# Allegro board F407_PACK_V10A.brd
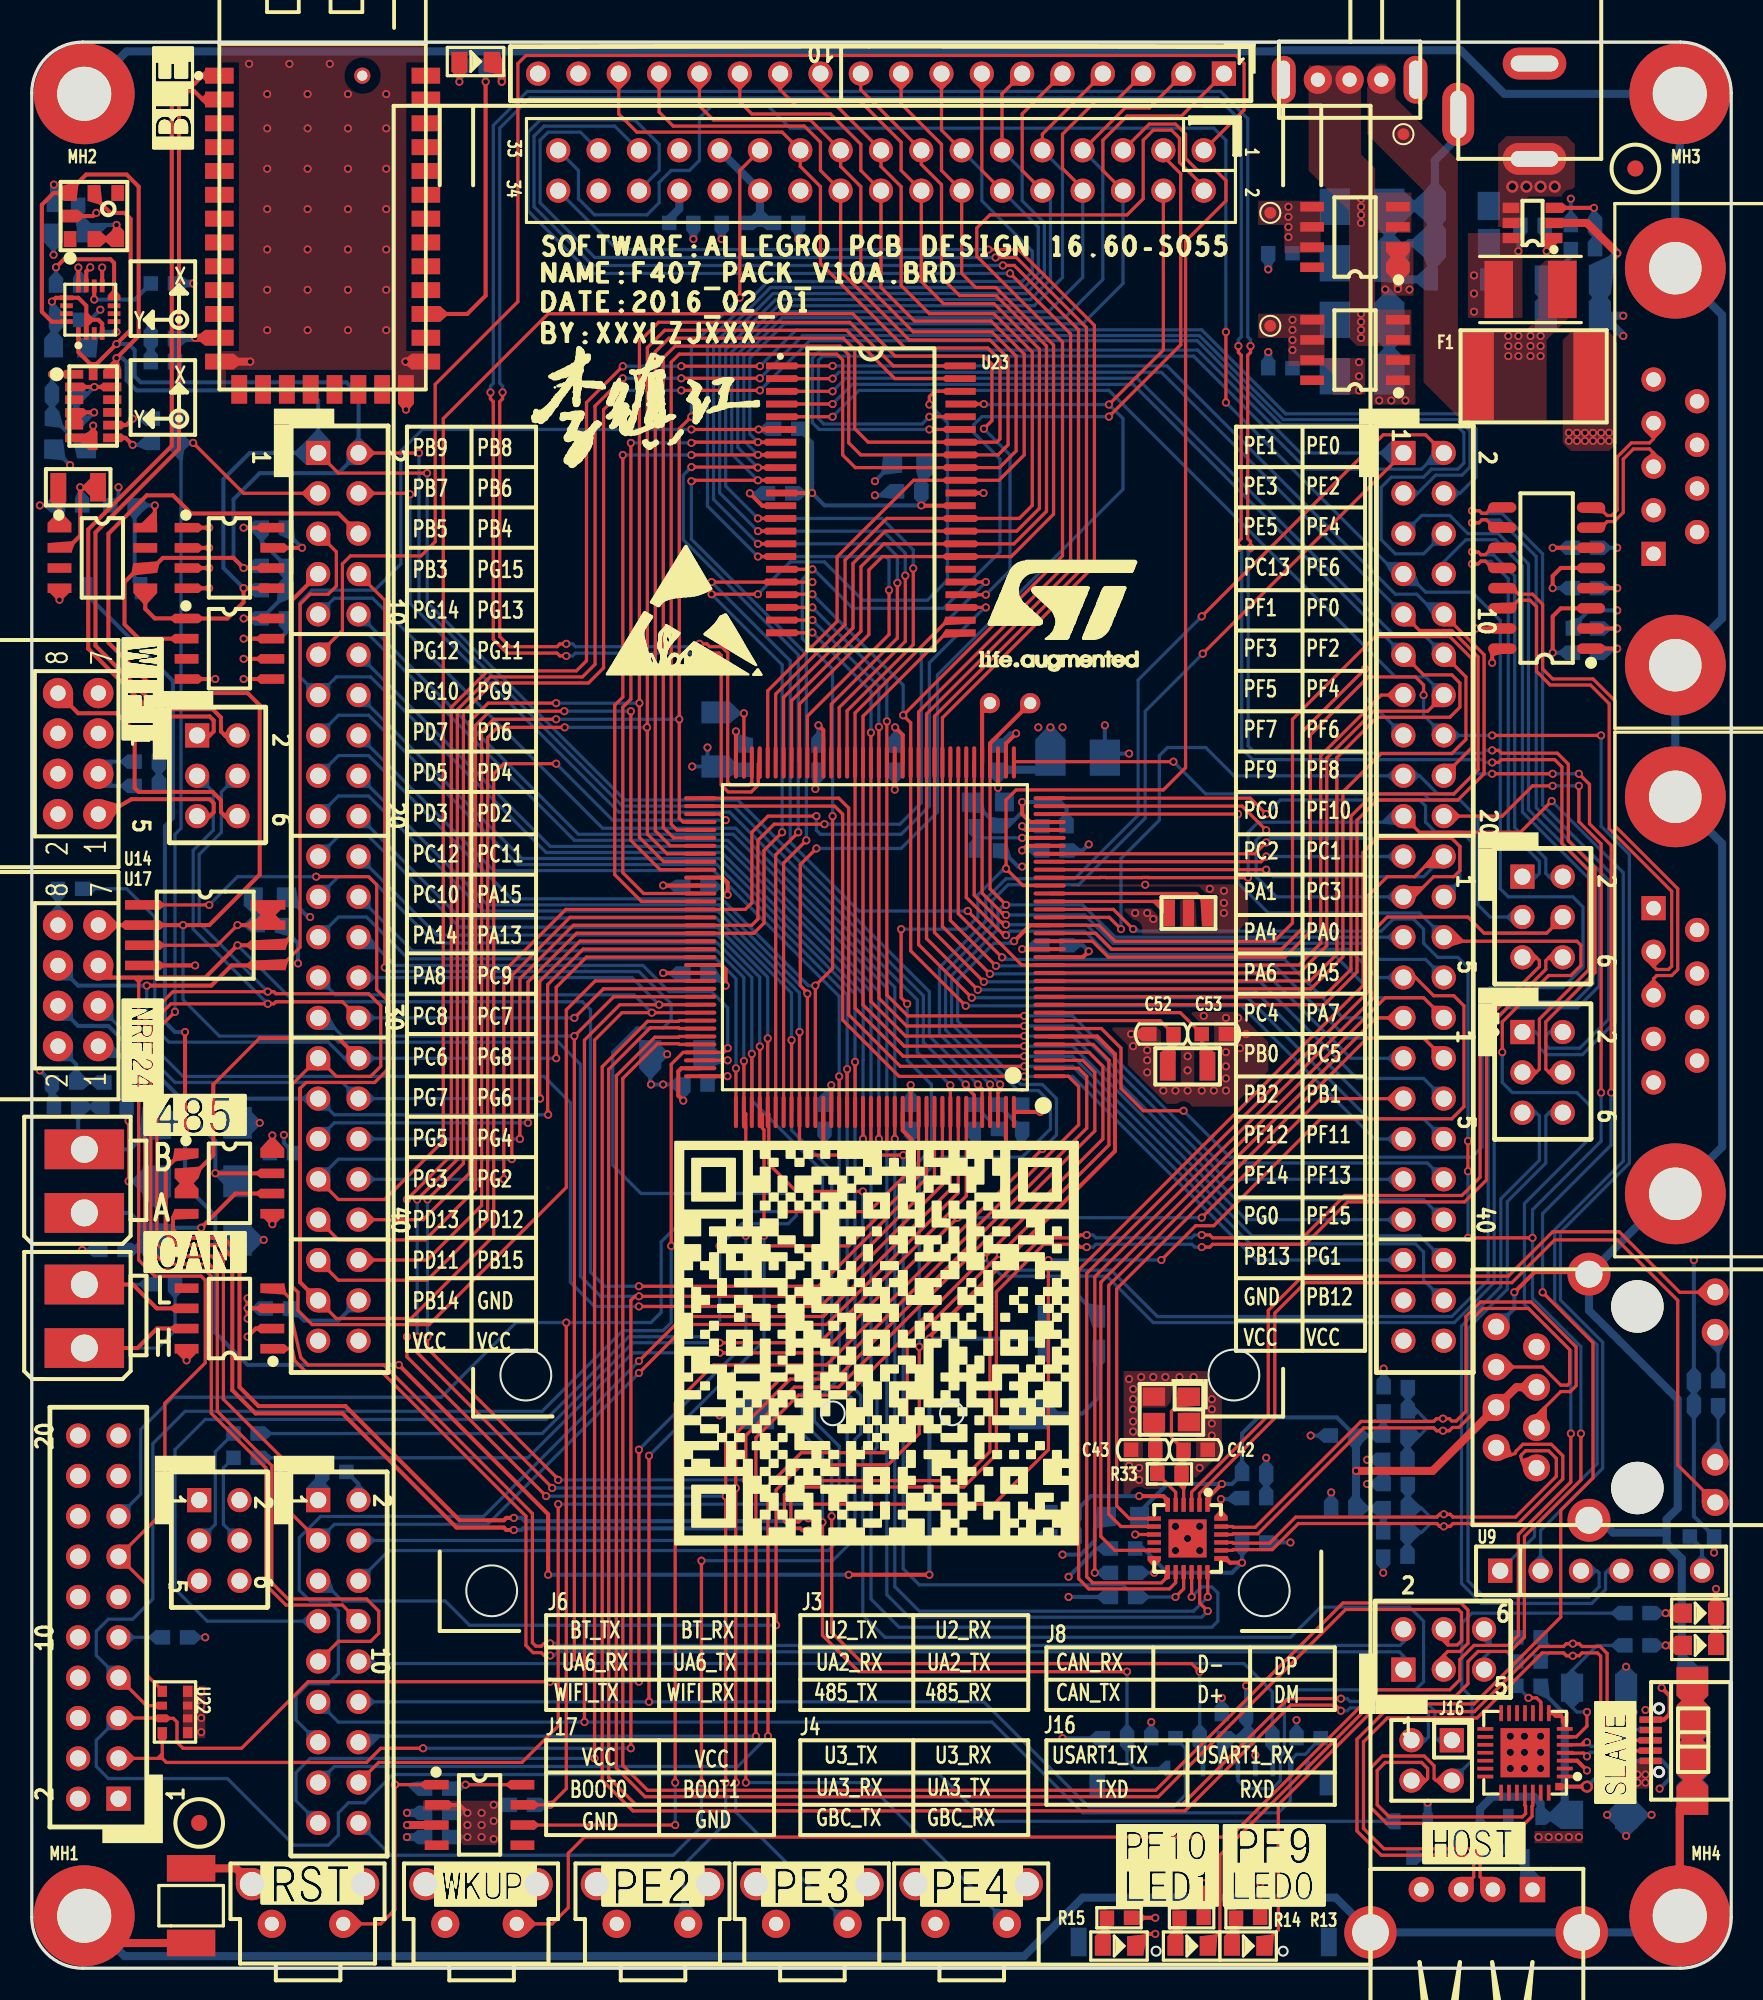
[diagram p0: board, top side]
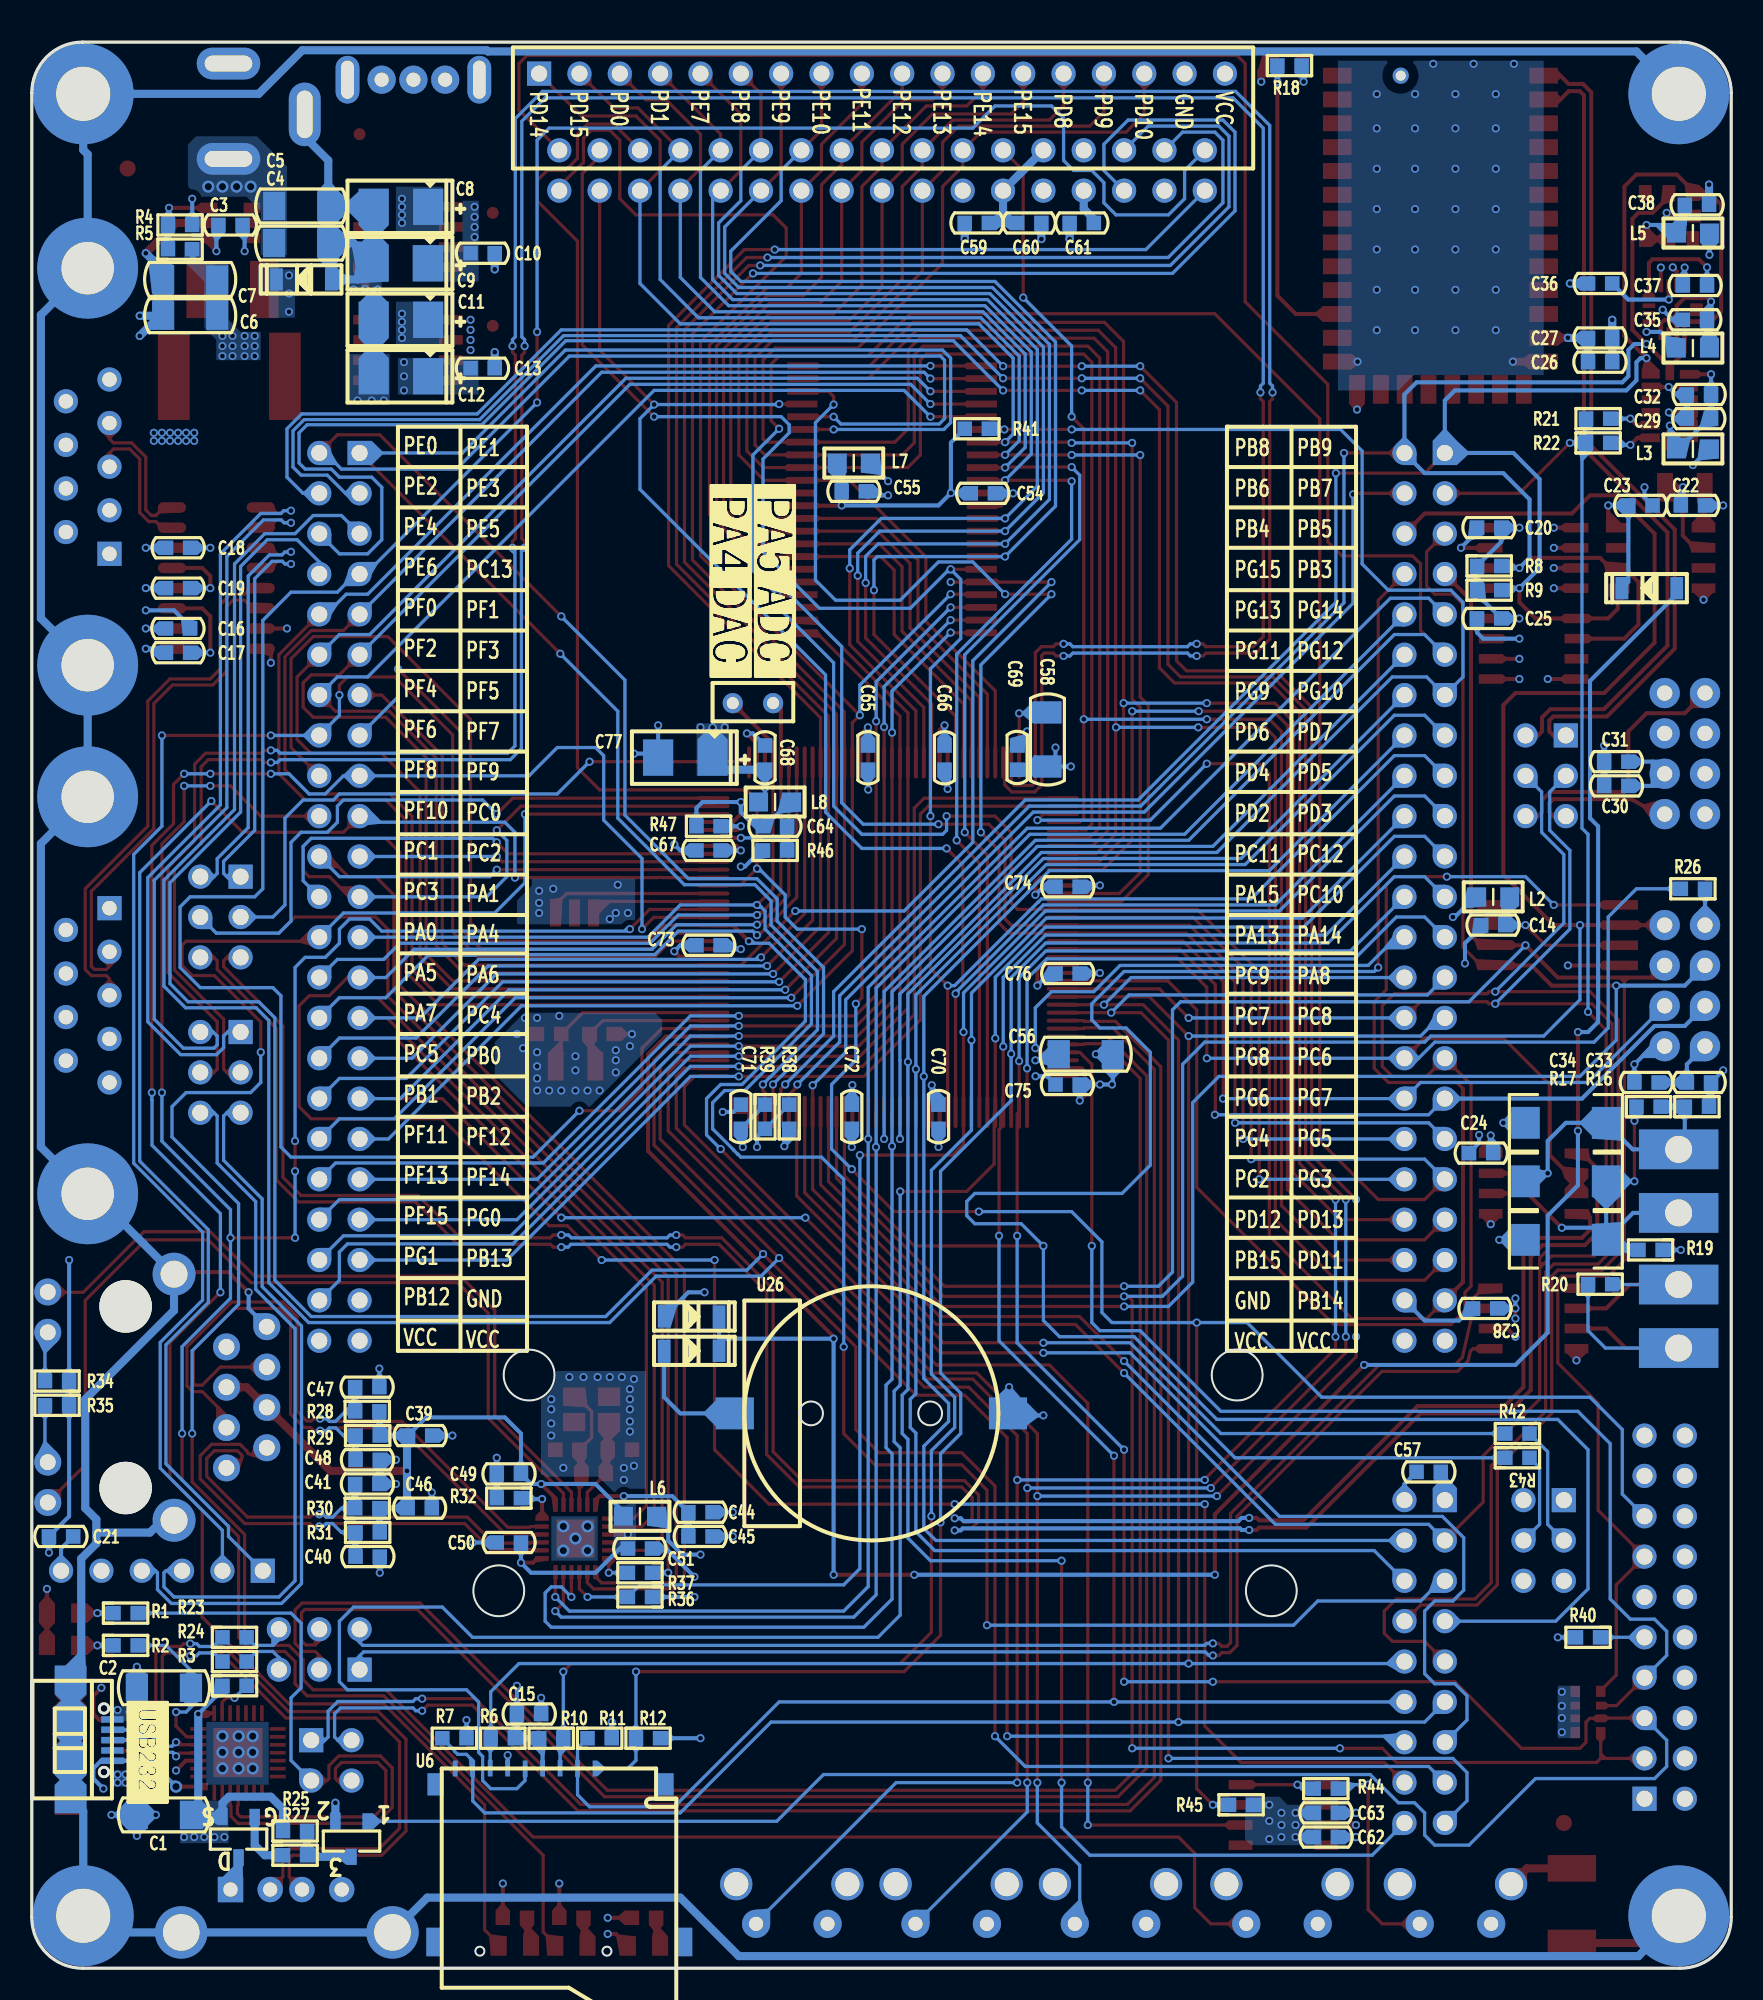
[diagram p1: board, bottom side, seen from below]

Outline 107 x 121.24 mm; copper layers: TOP, L02_GND, L03_VCC, BOTTOM. Coordinates in mm from the lower left corner of the outline.
Outline path: 0,118.04 0,3.2 arc(0.94,0.94) 3.2,0 103.8,0 arc(106.06,0.94) 107,3.2 107,118.04 arc(106.06,120.3) 103.8,121.24 3.2,121.24 arc(0.94,120.3) 0,118.04

## Design rules (mm)
net group DP1: nets BT_RXD BT_TXD
net group DP2: nets CAN_RX CAN_TX
net group DP3: nets GBC_RX GBC_TX
net group DP4: nets RS485_RX RS485_TX
net group DP5: nets RXD TXD
net group DP6: nets TPRX+ TPRX-
net group DP7: nets TPTX+ TPTX-
net group DP8: nets U2_RX U2_TX
net group DP9: nets U3_RX U3_TX
net group DP10: nets USART1_RX USART1_TX
net group DP11: nets USART3_RX USART3_TX
net group DP12: nets USB_D+ USB_D-
net group DP13: nets USB_DM USB_DP
net group DP14: nets WIFI_RXD WIFI_TXD

## Placement (name value [footprint] x y rotation side)
BEAD1  FBMH4532HM132-T  [L1812]  10.03 3.94 90 top
C1  22uF_10V_1206_10%_X7R  [CC1206]  98.68 9.65 0 bottom
C2  22uF_10V_1206_10%_X7R  [CC1206]  98.68 17.65 0 bottom
C3  10nF  [CC0603]  94.49 109.73 0 bottom
C4  22uF_10V_1206_10%_X7R  [CC1206]  90.04 108.58 180 bottom
C5  22uF_10V_1206_10%_X7R  [CC1206]  90.03 110.92 180 bottom
C6  22uF_10V_1206_10%_X7R  [CC1206]  97.03 104.01 0 bottom
C7  22uF_10V_1206_10%_X7R  [CC1206]  97.03 106.3 0 bottom
C8  10uF_10V_3528_10%  [CC3528_12]  82.04 110.87 0 bottom
C9  10uF_10V_3528_10%  [CC3528_12]  82.04 107.31 0 bottom
C10  0.1uF_50V_0603_10%_X7R  [CC0603]  78.61 107.95 0 bottom
C11  10uF_10V_3528_10%  [CC3528_12]  82.04 103.76 0 bottom
C12  10uF_10V_3528_10%  [CC3528_12]  82.04 100.2 0 bottom
C13  0.1uF_50V_0603_10%_X7R  [CC0603]  78.61 100.71 0 bottom
C14  0.1uF_50V_0603_10%_X7R  [CC0603]  14.99 65.66 0 bottom
C15  0.1uF_50V_0603_10%_X7R  [CC0603]  75.69 16 180 bottom
C16  0.1uF_50V_0603_10%_X7R  [CC0603]  97.79 82.8 180 bottom
C17  0.1uF_50V_0603_10%_X7R  [CC0603]  97.79 84.33 0 bottom
C18  0.1uF_50V_0603_10%_X7R  [CC0603]  97.79 89.41 180 bottom
C19  0.1uF_50V_0603_10%_X7R  [CC0603]  97.79 86.87 180 bottom
C20  0.1uF_50V_0603_10%_X7R  [CC0603]  15.24 90.68 0 bottom
C21  0.1uF_50V_0603_10%_X7R  [CC0603]  105.16 27.18 0 bottom
C22  12pF_50V_0603_10%_X7R  [CC0603]  2.41 92.08 0 bottom
C23  0.1uF_50V_0603_10%_X7R  [CC0603]  5.71 92.08 180 bottom
C24  0.1uF_50V_0603_10%_X7R  [CC0603]  15.75 51.31 180 bottom
C25  0.1uF_50V_0603_10%_X7R  [CC0603]  15.24 84.96 0 bottom
C26  10uF_10V_0603_10%_X7R  [CC0603]  8.26 101.09 0 bottom
C27  0.1uF_50V_0603_10%_X7R  [CC0603]  8.26 102.62 0 bottom
C28  0.1uF_50V_0603_10%_X7R  [CC0603]  15.49 41.53 0 bottom
C29  0.1uF_50V_0603_10%_X7R  [CC0603]  2.03 97.54 0 bottom
C30  10uF_10V_0603_10%_X7R  [CC0603]  7.24 74.42 180 bottom
C31  0.1uF_50V_0603_10%_X7R  [CC0603]  7.24 75.95 180 bottom
C32  0.1uF_50V_0603_10%_X7R  [CC0603]  2.03 99.06 180 bottom
C33  10uF_10V_0603_10%_X7R  [CC0603]  2.03 55.75 180 bottom
C34  0.1uF_50V_0603_10%_X7R  [CC0603]  5.33 55.75 0 bottom
C35  0.1uF_50V_0603_10%_X7R  [CC0603]  2.29 103.76 0 bottom
C36  10uF_10V_0603_10%_X7R  [CC0603]  8.26 106.05 180 bottom
C37  0.22uF_50V_0603_10%_X7R  [CC0603]  2.29 105.92 180 bottom
C38  0.1uF_50V_0603_10%_X7R  [CC0603]  2.16 111 180 bottom
C39  10uF_10V_0603_10%_X7R  [CC0603]  82.55 33.53 180 bottom
C40  10pF_50V_0603_10%_C0G  [CC0603]  85.85 25.91 180 bottom
C41  10pF_50V_0603_10%_C0G  [CC0603]  85.88 30.48 180 bottom
C42  12pF_50V_0603_10%_C0G  [CC0603]  73.28 32.64 180 top
C43  12pF_50V_0603_10%_C0G  [CC0603]  69.98 32.64 0 top
C44  10uF_10V_0603_10%_X7R  [CC0603]  64.9 28.7 0 bottom
C45  0.1uF_50V_0603_10%_X7R  [CC0603]  64.9 27.18 0 bottom
C46  10uF_10V_0603_10%_X7R  [CC0603]  82.58 28.96 0 bottom
C47  10pF_50V_0603_10%_C0G  [CC0603]  85.88 36.58 0 bottom
C48  10pF_50V_0603_10%_C0G  [CC0603]  85.85 32 0 bottom
C49  0.1uF_50V_0603_10%_X7R  [CC0603]  76.96 31.11 180 bottom
C50  0.1uF_50V_0603_10%_X7R  [CC0603]  76.96 26.8 180 bottom
C51  0.1uF_50V_0603_10%_X7R  [CC0603]  68.71 26.42 0 bottom
C52  12pF_50V_0603_10%_C0G  [CC0603]  71.12 58.8 0 top
C53  12pF_50V_0603_10%_C0G  [CC0603]  74.42 58.8 180 top
C54  0.1uF_50V_0603_10%_X7R  [CC0603]  47.12 92.84 0 bottom
C55  0.1uF_50V_0603_10%_X7R  [CC0603]  55.24 92.96 180 bottom
C56  22uF_10V_1206_10%_X7R  [CC1206]  40.64 57.53 180 bottom
C57  0.1uF_50V_0603_10%_X7R  [CC0603]  19.05 31.24 180 bottom
C58  22uF_10V_1206_10%_X7R  [CC1206]  43.05 77.34 270 bottom
C59  0.1uF_50V_0603_10%_X7R  [CC0603]  47.5 109.86 180 bottom
C60  0.1uF_50V_0603_10%_X7R  [CC0603]  44.2 109.86 0 bottom
C61  0.1uF_50V_0603_10%_X7R  [CC0603]  40.89 109.86 180 bottom
C62  10uF_10V_0603_10%_X7R  [CC0603]  25.53 8.26 180 bottom
C63  0.1uF_50V_0603_10%_X7R  [CC0603]  25.53 9.78 180 bottom
C64  0.1uF_50V_0603_10%_X7R  [CC0603]  60.2 71.88 0 bottom
C65  0.1uF_50V_0603_10%_X7R  [CC0603]  54.36 76.2 270 bottom
C66  0.1uF_50V_0603_10%_X7R  [CC0603]  49.53 76.2 270 bottom
C67  0.1uF_50V_0603_10%_X7R  [CC0603]  64.39 70.36 180 bottom
C68  0.1uF_50V_0603_10%_X7R  [CC0603]  60.83 76.2 270 bottom
C69  0.1uF_50V_0603_10%_X7R  [CC0603]  44.96 76.2 90 bottom
C70  0.1uF_50V_0603_10%_X7R  [CC0603]  49.91 53.59 90 bottom
C71  0.1uF_50V_0603_10%_X7R  [CC0603]  62.36 53.59 90 bottom
C72  0.1uF_50V_0603_10%_X7R  [CC0603]  55.37 53.59 90 bottom
C73  0.1uF_50V_0603_10%_X7R  [CC0603]  64.39 64.39 180 bottom
C74  0.1uF_50V_0603_10%_X7R  [CC0603]  41.78 68.07 180 bottom
C75  0.1uF_50V_0603_10%_X7R  [CC0603]  41.78 55.63 0 bottom
C76  0.1uF_50V_0603_10%_X7R  [CC0603]  41.78 62.61 180 bottom
C77  47uF_10V_3528  [CC3528_12]  64.14 76.2 0 bottom
D1  LED_GREEN  [LED0805]  105.03 22.35 0 top
D2  LED_GREEN  [LED0805]  105.03 20.32 0 top
D3  MBR120_SOD123  [SOD123]  88.27 106.3 0 bottom
D4  LED_RED  [LED0805]  76.58 1.4 0 top
D5  LED_RED  [LED0805]  73.03 1.4 0 top
D6  LED_RED  [LED0805]  68.45 1.4 0 top
D7  MBR0520_SOD123  [SOD123]  3.56 86.87 0 bottom
D8  P6SMB8.2CA  [SMB]  10.41 53.21 0 bottom
D9  P6SMB8.2CA  [SMB]  10.41 49.53 0 bottom
D10  P6SMB8.2CA  [SMB]  10.41 45.85 180 bottom
D11  LED_GREEN  [LED0805]  27.94 120.02 0 top
D12  MBR0520_SOD123  [SOD123]  67.06 41.02 180 bottom
D13  MBR0520_SOD123  [SOD123]  67.06 38.86 180 bottom
DC1  -  [DC005]  94.61 119.89 270 top
F1  JK300L  [SMD-7050]  91.06 100.2 0 top
J1  -  [DB9-F]  99.69 77.85 270 top
J2  -  [DB9-M]  99.69 111.12 270 top
J3  CONN PLUG 3x2  [HEADER3X2]  93.85 68.71 270 top
J4  CONN PLUG 3x2  [HEADER3X2]  93.85 58.93 270 top
J5  RS485  [POWER2A]  6.22 53.59 180 top
J6  CONN PLUG 3x2  [HEADER3X2]  10.41 77.6 270 top
J7  CAN  [POWER2A]  6.22 45.09 180 top
J8  CONN PLUG 3x2  [HEADER3X2]  86.36 18.8 0 top
J9  -  [HR911105A]  101.09 35.94 270 top
J10  CONN RCPT 23x2  [HEADER23X2]  86.36 95.38 270 top
J11  DIP2/10/2.54MM  [HEADER10X2]  5.46 10.67 90 top
J12  CONN RCPT 23x2  [HEADER23X2]  18.03 95.38 270 top
J13  CONN RCPT 18  [HEADER18X1]  75.06 119.25 180 top
J14  -  [OV2640]  18.03 29.46 270 top
J15  -  [TFTLCD]  73.79 114.43 270 top
J16  CONN RCPT 2x2  [HEADER2X2]  89.41 14.35 180 top
J17  CONN RCPT 3x2  [HEADER3X2]  10.54 29.46 270 top
J18  ADDA  [HEADER1X2]  62.87 79.63 180 bottom
L1  6.8uH_CD4532_20%  [L4532-P]  94.36 105.66 0 top
L2  BEAD_BLM18PG600_0805  [LC0805]  14.99 67.44 0 bottom
L3  BEAD_BLM18PG600_0805  [LC0805]  2.41 95.63 180 bottom
L4  BEAD_BLM18PG600_0805  [LC0805]  2.41 101.98 180 bottom
L5  BEAD_BLM18PG600_0805  [LC0805]  2.41 109.22 0 bottom
L6  BEAD_BLM18PG600_0805  [LC0805]  68.71 28.45 0 bottom
L7  BEAD_BLM18PG600_0805  [LC0805]  55.24 94.74 0 bottom
L8  BEAD_BLM18PG600_0805  [LC0805]  60.2 73.41 0 bottom
MH1  Hold  [HOLD250D134]  3.3 3.3 0 top
MH2  Hold  [HOLD250D134]  3.3 117.98 0 top
MH3  Hold  [HOLD250D134]  103.76 117.98 0 top
MH4  Hold  [HOLD250D134]  103.76 3.3 0 top
MP1  MarkPoint  [MARKPOINT_R3]  10.54 9.14 0 top
MP2  MarkPoint  [MARKPOINT_R3]  100.97 113.28 0 top
Q1  SI2301_SOT23_PMOS  [SOT23_GDS]  93.98 8.26 0 bottom
Q2  8050_SOT23_NPN  [SOT23_123]  86.87 8.13 0 bottom
R1  510R_0603_1%  [RC0603]  101.09 22.35 0 bottom
R2  510R_0603_1%  [RC0603]  101.09 20.32 0 bottom
R3  10K_0603_1%  [RC0603]  94.23 17.78 0 bottom
R4  12K_0603_1%  [RC0603]  97.66 109.73 180 bottom
R5  62K_0603_1%  [RC0603]  97.66 108.2 0 bottom
R6  4.7K_0603_1%  [RC0603]  77.34 14.48 180 bottom
R7  4.7K_0603_1%  [RC0603]  80.39 14.48 180 bottom
R8  4.7K_0603_1%  [RC0603]  15.24 88.27 0 bottom
R9  4.7K_0603_1%  [RC0603]  15.24 86.74 0 bottom
R10  4.7K_0603_1%  [RC0603]  74.3 14.48 180 bottom
R11  4.7K_0603_1%  [RC0603]  71.25 14.48 0 bottom
R12  4.7K_0603_1%  [RC0603]  68.2 14.48 0 bottom
R13  510R_0603_1%  [RC0603]  76.58 3.17 180 top
R14  510R_0603_1%  [RC0603]  73.03 3.17 180 top
R15  510R_0603_1%  [RC0603]  68.45 3.17 180 top
R16  4.7K_0603_1%  [RC0603]  2.16 54.23 0 bottom
R17  120R_0603_1%  [RC0603]  5.21 54.23 0 bottom
R18  510R_0603_1%  [RC0603]  27.81 119.76 180 bottom
R19  4.7K_0603_1%  [RC0603]  5.08 45.21 180 bottom
R20  120R_0603_1%  [RC0603]  8.26 43.05 180 bottom
R21  0R_0603_1%/NI  [RC0603]  8.38 97.54 0 bottom
R22  0R_0603_1%  [RC0603]  8.38 96.01 0 bottom
R23  10R_0603_1%  [RC0603]  94.23 20.83 0 bottom
R24  10R_0603_1%  [RC0603]  94.23 19.3 0 bottom
R25  10K_0603_1%  [RC0603]  90.42 8.64 0 bottom
R26  1K_0603_1%  [RC0603]  2.41 67.94 180 bottom
R27  100K_0603_1%  [RC0603]  90.42 7.11 0 bottom
R28  49.9R_0603_1%  [RC0603]  85.88 35.05 0 bottom
R29  49.9R_0603_1%  [RC0603]  85.85 33.53 0 bottom
R30  49.9R_0603_1%  [RC0603]  85.88 28.96 0 bottom
R31  49.9R_0603_1%  [RC0603]  85.85 27.43 0 bottom
R32  12.1K_0603_1%  [RC0603]  76.96 29.59 180 bottom
R33  1M_0603_1%  [RC0603]  71.63 31.11 180 top
R34  510R_0603_1%  [RC0603]  105.41 36.96 180 bottom
R35  510R_0603_1%  [RC0603]  105.41 35.43 180 bottom
R36  510R_0603_1%  [RC0603]  68.71 23.37 180 bottom
R37  510R_0603_1%  [RC0603]  68.71 24.89 180 bottom
R38  0R_0603_1%  [RC0603]  59.31 53.59 270 bottom
R39  0R_0603_1%/NI  [RC0603]  60.83 53.59 90 bottom
R40  10K_0603_1%  [RC0603]  9.02 20.83 180 bottom
R41  10K_0603_1%  [RC0603]  47.5 96.9 180 bottom
R42  10K_0603_1%  [RC0603]  13.46 33.66 180 bottom
R43  10K_0603_1%  [RC0603]  13.46 32.13 0 bottom
R44  0R_0603_1%  [RC0603]  25.53 11.3 0 bottom
R45  20K_0603_1%  [RC0603]  30.86 10.29 0 bottom
R46  0R_0603_1%  [RC0603]  60.2 70.36 0 bottom
R47  0R_0603_1%  [RC0603]  64.39 71.88 180 bottom
SW1  -  [SWITCH_3P]  87.12 118.87 180 top
SW2  BACK  [SW-6X6X6-L]  26.04 2.79 0 top
SW3  BACK  [SW-6X6X6-L]  56.9 2.79 0 top
SW4  BACK  [SW-6X6X6-L]  46.86 2.79 0 top
SW5  BACK  [SW-6X6X6-L]  36.83 2.79 0 top
SW6  RST  [SW-6X6X6-L]  15.11 2.79 0 top
TP1  TestPoint  [TP-0R75]  86.36 115.44 0 top
TP2  TestPoint  [TP-0R75]  77.98 110.49 0 top
TP3  TestPoint  [TP-0R75]  77.98 103.38 0 top
U1  CP2102  [QFN-28]  96.52 12.06 180 top
U2  RT8259  [SOT23-6]  94.49 109.86 90 top
U3  TPS76833Q  [SOIC8]  83.31 108.97 90 top
U4  TPS76833Q  [SOIC8]  83.31 101.85 90 top
U5  W25Qxx  [SO-8-208]  10.92 65.02 270 top
U6  -  [TFCARD]  73.79 12.57 180 bottom
U7  MAX3232ESE  [SOP-16]  95.38 87.5 90 top
U8  AT24C512  [SOIC8]  12.45 88.77 270 top
U9  ATK MODULE  [ATK-MODULE]  92.46 25.02 0 top
U10  PCF8563  [SOIC8]  4.45 88.77 270 top
U11  -  [HC-06]  11.81 119.13 0 top
U12  LM75A  [SOIC8]  12.45 83.06 270 top
U13  MAX3485ESA  [SOIC8]  12.45 49.4 270 top
U14  -  [ESP8266PACK]  4.19 72.64 90 top
U15  TJA1050T/CM  [SOIC8]  12.45 40.89 90 top
U16  ADXL345  [LGA-14]  2.67 100.33 0 top
U17  -  [NRF24L01PACK]  4.19 58.04 90 top
U18  HMC5883L  [TQFN-3X3-16]  3.68 104.39 0 top
U19  -  [BMP180]  2.41 108.84 0 top
U20  LAN8720A  [QFN-24]  72.77 27.05 270 top
U21  STM32F407ZGT6  [LQFP144]  53.09 64.9 180 top
U22  10K_0603X4_1%  [R0603X4]  9.02 16.13 270 top
U23  IS61LV25616  [TSOP-44]  52.83 92.46 0 top
U24  SP706REN  [SOIC8]  28.19 9.65 270 top
U26  BATTERY  [CR1220]  46.74 34.92 0 bottom
USB1  -  [USB-MICRO]  101.85 14.35 270 bottom
USB2  -  [USB-MICRO]  101.85 14.35 90 top
USB3  -  [USB-A]  94.49 4.95 270 top
X1  32768Hz_3215  [X-2P-3R2X1R5-SMD]  2.92 93.22 180 top
X2  XTAL-3225-25MHz  [X-4P-3R2X2R5-SMD]  71.75 35.18 180 top
X3  32768Hz_3215  [X-2P-3R2X1R5-SMD]  72.77 56.77 180 top
X4  CSTCE-8M00  [X-3P-3R2X1R3-SMD]  71.63 66.42 0 top

## Library data of the parts
BEAD1 = FB
C1-C7 = CAPACITOR NON-POL
C8 C9 C11 C12 C77 = CAPT_100UF_3528_6r3V_10%_LXXXX
C10 C13-C21 C23-C55 C57 C59-C61 C64-C76 = CAP NP
C22 = CAP
C56 C58 C62 C63 = C_Generic
D1 D2 D4-D6 D11 = LED_4
D3 D12 D13 = DIODE13_0
D7 = D SCHOTTKY
D8-D10 = P6SMB
DC1 = DC005
F1 = FUSE
J1 J2 = DB9-F_0
J3 J4 J6 J8 = CONN PLUG 3x2_0
J5 J7 J18 = CONN PLUG 2_0
J9 = HR911105A
J10 J12 = CONN RCPT 23x2
J11 = CON20_3
J13 = CONN RCPT 18
J14 = CONN RCPT 9x2
J15 = CONN RCPT 17x2_1
J16 = CONN RCPT 2x2
J17 = CONN RCPT 3x2
L1 L6 L7 = IND_BEAD_0805_600OHM_200MA
L2-L5 L8 = INDUCTOR
MH1-MH4 = Hold_1
MP1 MP2 = MarkPoint
Q1 = MOS P
Q2 = L14G1/TO_1
R1-R15 R18 R21-R44 R46 R47 = R_10k_0603
R16 R17 R19 R20 = R
R45 = R_Generic
SW1 = SWITCH_3P
SW2-SW6 = SWITCH-SPST-4P
TP1-TP3 = TestPoint_0
U1 = CP2102
U2 = RT8259
U3 U4 = TPS7133_0
U5 = W25Qxx
U6 = TFCARD_1
U7 = ADM202_0
U8 = AT24C512
U9 = ATK MODULE
U10 = PCF8563
U11 = HC-06_0
U12 = LM75A
U13 = MAX3485ESA
U14 = ESP8266PACK
U15 = TJA1050
U16 = ADXL345_1
U17 = NRF24L01PACK
U18 = HMC5883
U19 = BMP180
U20 = LAN8720A
U21 = STM32F407ZGT6_0
U22 = RES 0603X4
U23 = IS61LV25626
U24 = SP706T_1
U26 = BATTERY
USB1 USB2 = USB-MICRO
USB3 = USB-A_0
X1 = XTAL
X2 = XTAL-3225-25MHz
X3 = XTAL_5032_0
X4 = CSTCE-8M00

## Footprints (pads in the part's own frame, mm; a bottom-side part is the same pattern mirrored in y, then rotated)
ATK-MODULE
  rect 1.524x1.524 hole 1.016: 1(0,0)
  round 1.524 hole 1.016: 2(2.54,0) 3(5.08,0) 4(7.62,0) 5(10.16,0) 6(12.7,0)
BMP180
  rect 0.8x1 smd: 1(0,0) 2(1.5,0) 3(3,0) 4(3,2.9) 5(1.5,2.9) 6(0,2.9)
  rect 1x0.8 smd: 7(0,1.45)
CC0603
  rect 0.914x0.914 smd: 1(-0.762,0) 2(0.762,0)
CC1206
  rect 1.397x1.778 smd: 1(-1.702,0) 2(1.702,0)
CC3528_12
  rect 1.905x2.286 smd: 1(0,0) 2(3.429,0)
CR1220
  rect 2.4x2 smd: 1(16,0) 2(-1.2,0)
DB9-F
  rect 1.524x1.524 hole 0.914: 1(11.125,2.413)
  round 1.524 hole 0.914: 2(13.868,2.413) 3(16.612,2.413) 4(19.355,2.413) 5(22.098,2.413) 6(12.497,5.156) 7(15.24,5.156) 8(17.983,5.156) 9(20.726,5.156)
  round 6.35 hole 3.302: 10(29.106,3.785) 11(4.117,3.785)
DB9-M
  rect 1.524x1.524 hole 0.914: 1(22.098,2.413)
  round 1.524 hole 0.914: 2(19.355,2.413) 3(16.612,2.413) 4(13.868,2.413) 5(11.125,2.413) 6(20.726,5.156) 7(17.983,5.156) 8(15.24,5.156) 9(12.497,5.156)
  round 6.35 hole 3.302: 10(29.106,3.785) 11(4.117,3.785)
DC005
  oval 2x4 hole 1x3: 1(6,0) 2(0,0)
  oval 4x2 hole 3x1: 3(3.2,-4.8)
ESP8266PACK
  round 1.905 hole 0.965: 1(0,0) 2(0,2.54) 3(2.54,0) 4(2.54,2.54) 5(5.08,0) 6(5.08,2.54) 7(7.62,0) 8(7.62,2.54)
HC-06
  rect 1.8x1 smd: 1(0,0) 2(0,-1.5) 3(0,-3) 4(0,-4.5) 5(0,-6) 6(0,-7.5) 7(0,-9) 8(0,-10.5) 9(0,-12) 10(0,-13.5) 11(0,-15) 12(0,-16.5) 13(0,-18) 22(13,-18) 23(13,-16.5) 24(13,-15) 25(13,-13.5) 26(13,-12) 27(13,-10.5) 28(13,-9) 29(13,-7.5) 30(13,-6) 31(13,-4.5) 32(13,-3) 33(13,-1.5) 34(13,0)
  rect 1x1.8 smd: 14(1.25,-19.75) 15(2.75,-19.75) 16(4.25,-19.75) 17(5.75,-19.75) 18(7.25,-19.75) 19(8.75,-19.75) 20(10.25,-19.75) 21(11.75,-19.75)
  round 1.016 hole 0.635: 35(9,0)
HEADER1X2
  round 1.27 hole 0.762: 1(0,0) 2(2.54,0)
HEADER2X2
  rect 1.524x1.524 hole 1.016: 1(0,0)
  round 1.524 hole 1.016: 2(0,2.54) 3(2.54,0) 4(2.54,2.54)
HEADER3X2
  rect 1.524x1.524 hole 1.016: 1(0,0)
  round 1.524 hole 1.016: 2(0,2.54) 3(2.54,0) 4(2.54,2.54) 5(5.08,0) 6(5.08,2.54)
HEADER10X2
  rect 1.524x1.524 hole 1.016: 1(0,0)
  round 1.524 hole 1.016: 2(0,2.54) 3(2.54,0) 4(2.54,2.54) 5(5.08,0) 6(5.08,2.54) 7(7.62,0) 8(7.62,2.54) 9(10.16,0) 10(10.16,2.54) 11(12.7,0) 12(12.7,2.54) 13(15.24,0) 14(15.24,2.54) 15(17.78,0) 16(17.78,2.54) 17(20.32,0) 18(20.32,2.54) 19(22.86,0) 20(22.86,2.54)
HEADER18X1
  rect 1.524x1.524 hole 1.016: 1(0,0)
  round 1.524 hole 1.016: 2(2.54,0) 3(5.08,0) 4(7.62,0) 5(10.16,0) 6(12.7,0) 7(15.24,0) 8(17.78,0) 9(20.32,0) 10(22.86,0) 11(25.4,0) 12(27.94,0) 13(30.48,0) 14(33.02,0) 15(35.56,0) 16(38.1,0) 17(40.64,0) 18(43.18,0)
HEADER23X2
  rect 1.524x1.524 hole 1.016: 1(0,0)
  round 1.524 hole 1.016: 2(0,2.54) 3(2.54,0) 4(2.54,2.54) 5(5.08,0) 6(5.08,2.54) 7(7.62,0) 8(7.62,2.54) 9(10.16,0) 10(10.16,2.54) 11(12.7,0) 12(12.7,2.54) 13(15.24,0) 14(15.24,2.54) 15(17.78,0) 16(17.78,2.54) 17(20.32,0) 18(20.32,2.54) 19(22.86,0) 20(22.86,2.54) 21(25.4,0) 22(25.4,2.54) 23(27.94,0) 24(27.94,2.54) 25(30.48,0) 26(30.48,2.54) 27(33.02,0) 28(33.02,2.54) 29(35.56,0) 30(35.56,2.54) 31(38.1,0) 32(38.1,2.54) 33(40.64,0) 34(40.64,2.54) 35(43.18,0) 36(43.18,2.54) 37(45.72,0) 38(45.72,2.54) 39(48.26,0) 40(48.26,2.54) 41(50.8,0) 42(50.8,2.54) 43(53.34,0) 44(53.34,2.54) 45(55.88,0) 46(55.88,2.54)
HOLD250D134
  round 6.35 hole 3.404: 1(0,0)
HR911105A
  round 3.3 hole 3.3 unplated: (-5.715,0) (5.715,0)
  round 1.699 hole 1.001: 1(4.45,-6.35) 2(3.18,-8.89) 3(1.91,-6.35) 4(0.64,-8.89) 5(-0.63,-6.35) 6(-1.9,-8.89) 7(-3.17,-6.35) 8(-4.44,-8.89) 9(6.625,4.9) 10(4.085,4.9) 11(-4.085,4.9) 12(-6.625,4.9)
  round 2.7 hole 1.7: 13(7.745,-3.05) 14(-7.745,-3.05)
L1812
  rect 1.676x3.048 smd: 1(-2.349,0) 2(2.349,0)
L4532-P
  rect 1.8x3.6 smd: 1(-2,0) 2(2,0)
LC0805
  rect 1.194x1.194 smd: 1(-1.041,0) 2(1.041,0)
LED0805
  rect 1.016x1.219 smd: 1(-1.016,0) 2(1.016,0)
LGA-14
  rect 1.145x0.55 smd: 1(0,0) 2(0,-0.8) 3(0,-1.6) 4(0,-2.4) 5(0,-3.2) 6(0,-4) 8(2.4,-4) 9(2.4,-3.2) 10(2.4,-2.4) 11(2.4,-1.6) 12(2.4,-0.8) 13(2.4,0)
  rect 0.55x1.145 smd: 7(1.2,-4.2) 14(1.2,0.2)
LQFP144
  oval 2.032x0.254 smd: 1(-11,8.75) 2(-11,8.25) 3(-11,7.75) 4(-11,7.25) 5(-11,6.75) 6(-11,6.25) 7(-11,5.75) 8(-11,5.25) 9(-11,4.75) 10(-11,4.25) 11(-11,3.75) 12(-11,3.25) 13(-11,2.75) 14(-11,2.25) 15(-11,1.75) 16(-11,1.25) 17(-11,0.75) 18(-11,0.25) 19(-11,-0.25) 20(-11,-0.75) 21(-11,-1.25) 22(-11,-1.75) 23(-11,-2.25) 24(-11,-2.75) 25(-11,-3.25) 26(-11,-3.75) 27(-11,-4.25) 28(-11,-4.75) 29(-11,-5.25) 30(-11,-5.75) 31(-11,-6.25) 32(-11,-6.75) 33(-11,-7.25) 34(-11,-7.75) 35(-11,-8.25) 36(-11,-8.75) 73(11,-8.75) 74(11,-8.25) 75(11,-7.75) 76(11,-7.25) 77(11,-6.75) 78(11,-6.25) 79(11,-5.75) 80(11,-5.25) 81(11,-4.75) 82(11,-4.25) 83(11,-3.75) 84(11,-3.25) 85(11,-2.75) 86(11,-2.25) 87(11,-1.75) 88(11,-1.25) 89(11,-0.75) 90(11,-0.25) 91(11,0.25) 92(11,0.75) 93(11,1.25) 94(11,1.75) 95(11,2.25) 96(11,2.75) 97(11,3.25) 98(11,3.75) 99(11,4.25) 100(11,4.75) 101(11,5.25) 102(11,5.75) 103(11,6.25) 104(11,6.75) 105(11,7.25) 106(11,7.75) 107(11,8.25) 108(11,8.75)
  oval 0.254x2.032 smd: 37(-8.75,-11) 38(-8.25,-11) 39(-7.75,-11) 40(-7.25,-11) 41(-6.75,-11) 42(-6.25,-11) 43(-5.75,-11) 44(-5.25,-11) 45(-4.75,-11) 46(-4.25,-11) 47(-3.75,-11) 48(-3.25,-11) 49(-2.75,-11) 50(-2.25,-11) 51(-1.75,-11) 52(-1.25,-11) 53(-0.75,-11) 54(-0.25,-11) 55(0.25,-11) 56(0.75,-11) 57(1.25,-11) 58(1.75,-11) 59(2.25,-11) 60(2.75,-11) 61(3.25,-11) 62(3.75,-11) 63(4.25,-11) 64(4.75,-11) 65(5.25,-11) 66(5.75,-11) 67(6.25,-11) 68(6.75,-11) 69(7.25,-11) 70(7.75,-11) 71(8.25,-11) 72(8.75,-11) 109(8.75,11) 110(8.25,11) 111(7.75,11) 112(7.25,11) 113(6.75,11) 114(6.25,11) 115(5.75,11) 116(5.25,11) 117(4.75,11) 118(4.25,11) 119(3.75,11) 120(3.25,11) 121(2.75,11) 122(2.25,11) 123(1.75,11) 124(1.25,11) 125(0.75,11) 126(0.25,11) 127(-0.25,11) 128(-0.75,11) 129(-1.25,11) 130(-1.75,11) 131(-2.25,11) 132(-2.75,11) 133(-3.25,11) 134(-3.75,11) 135(-4.25,11) 136(-4.75,11) 137(-5.25,11) 138(-5.75,11) 139(-6.25,11) 140(-6.75,11) 141(-7.25,11) 142(-7.75,11) 143(-8.25,11) 144(-8.75,11)